# Altium PCB PCB_TEST.PcbDoc (part 2 of 6)
Units mil, origin at the board's own origin, x right, y up, seen from the top; angles counter-clockwise.
Board outline 6000 x 4000 mil, 2 copper layers (Top Layer, Bottom Layer); 1506 components, 800 nets, 4143 pads, 6 vias.
Unrouted connection lines stored in the file: 2993.
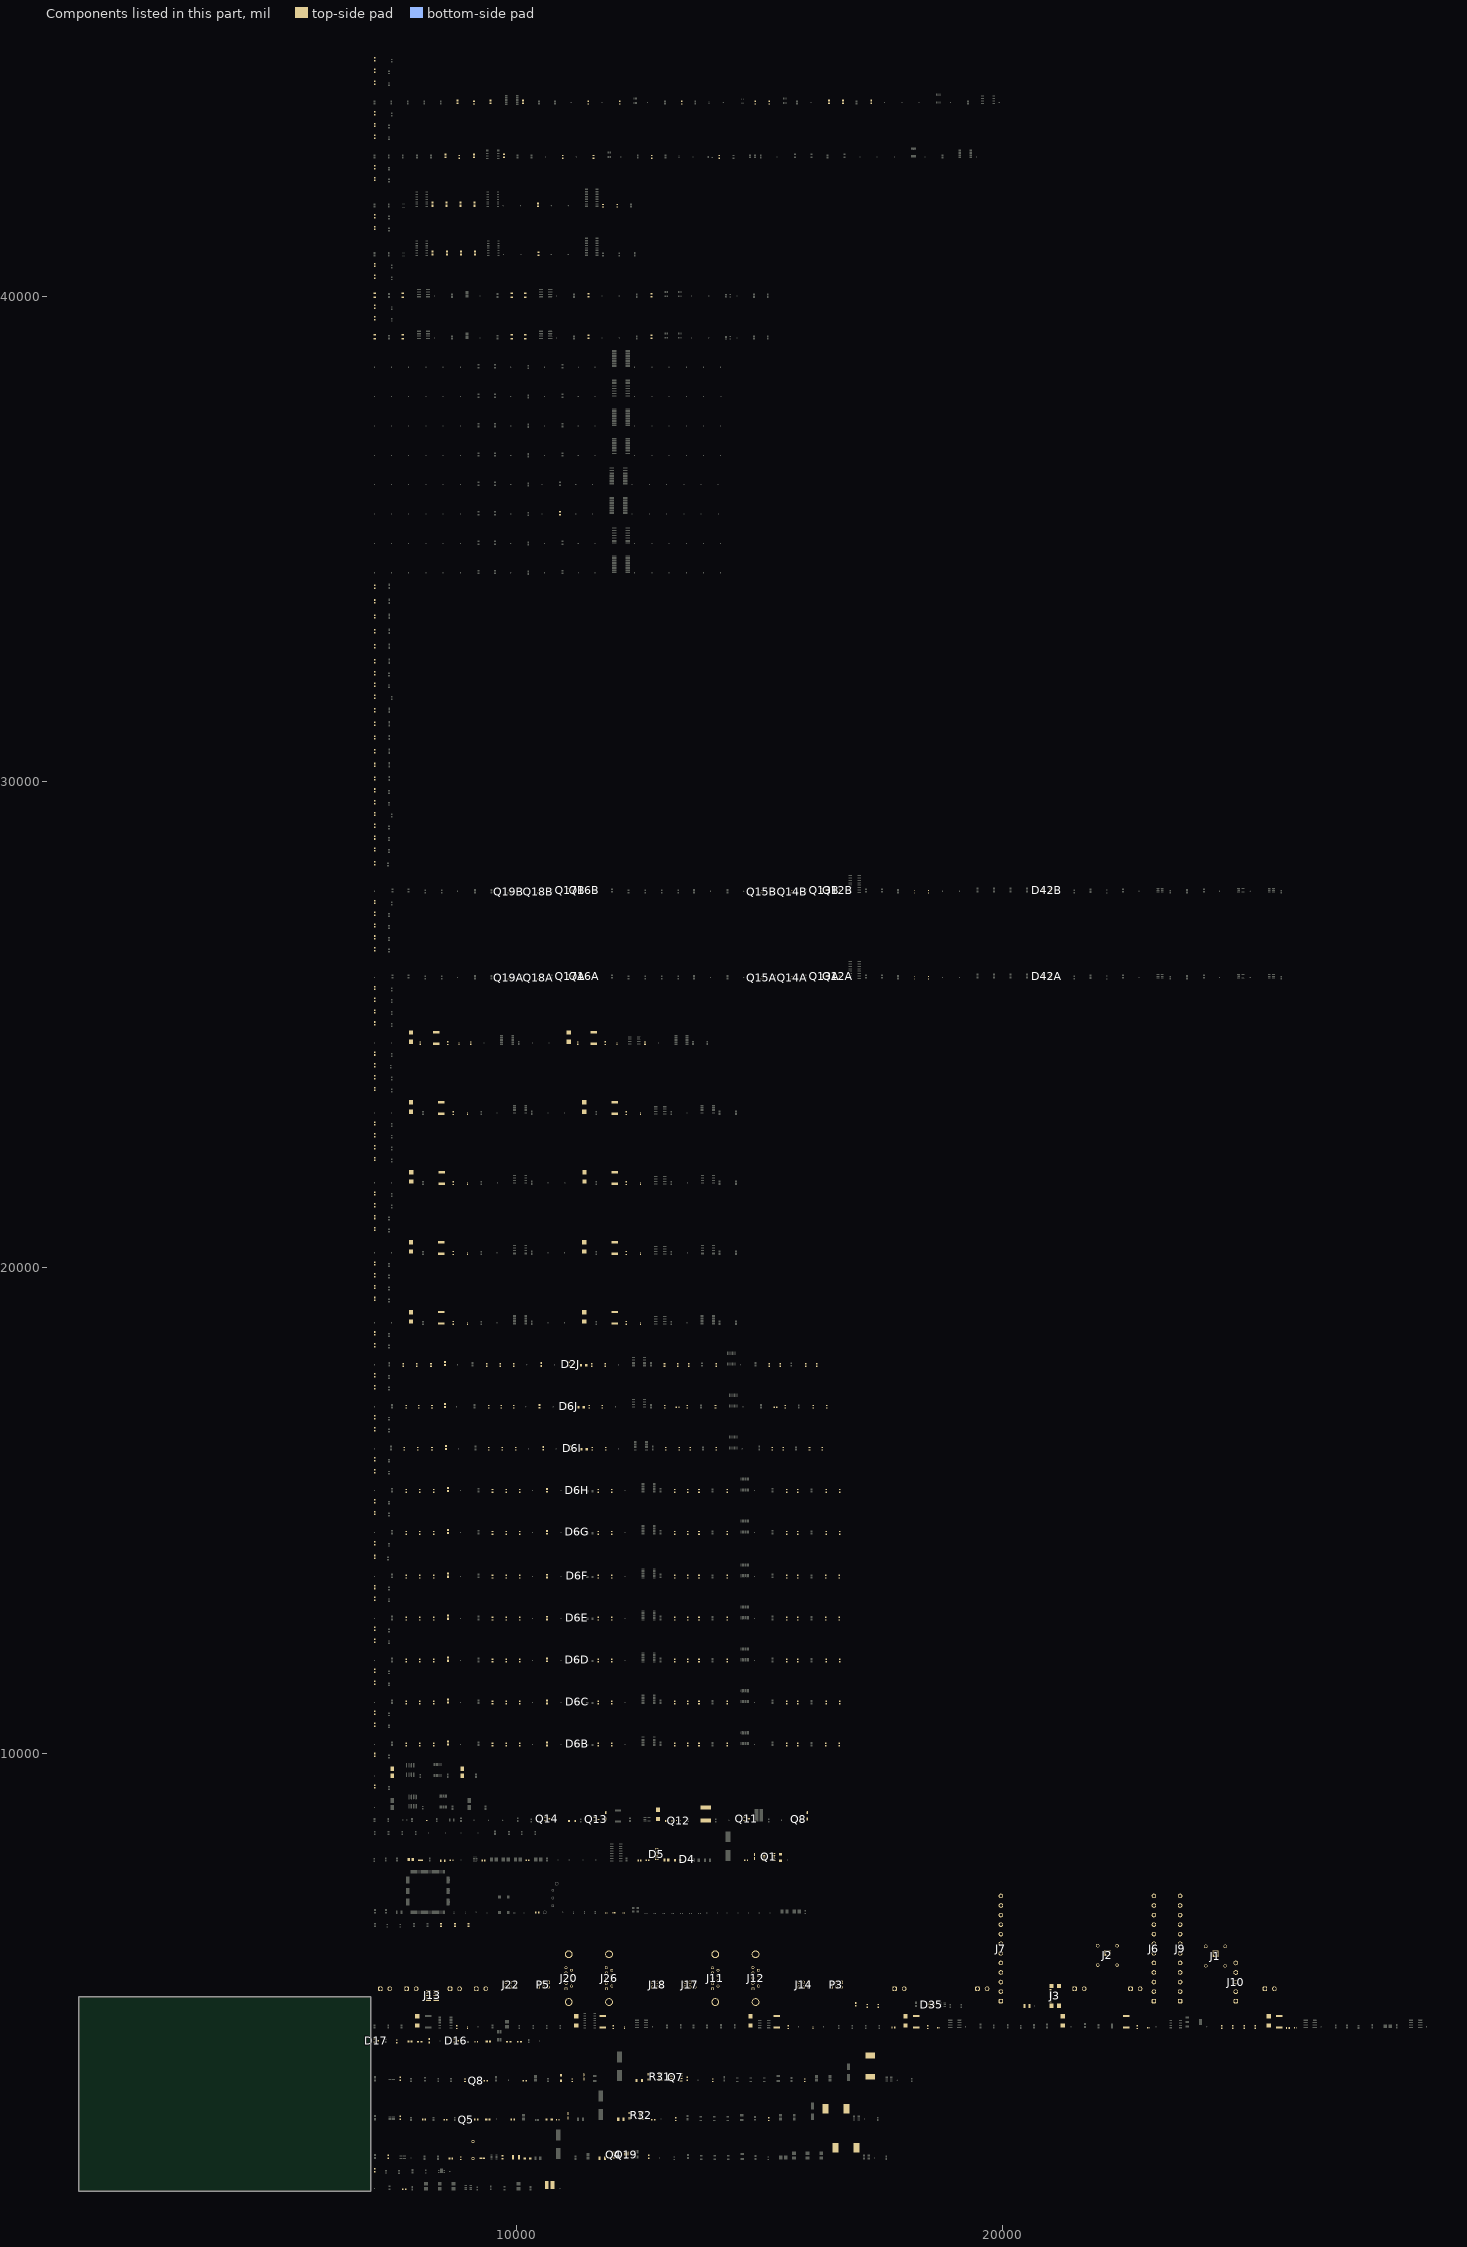
[diagram p2: the components of this part, seen from the top]

## Components (designator, comment, footprint, x,y, rotation, side; value= is the part's Value field where it differs from the comment) (continued)
D1I "PTVS58VS1UR,115" SOD123W 11395,16265 r0 top (schematic designator D1)
D1J "PTVS58VS1UR,115" SOD123W 11385,17995 r0 top (schematic designator D1)
D1J "PTVS58VS1UR,115" SOD123W 11335,17130 r0 top (schematic designator D1)
D2 "BZT52C15S-7-F" FP-SOD323-IPC_A 14905,7885 r90 top (schematic designator D3)
D2J "BAV199-7-F" DIOD-SOT23-3_A_V 11125,18020 r0 top (schematic designator D2)
D4 "BZX84C47LT1G" ONSC-SOT-23-3-318-08_V 13515,7830 r0 top
D5 "PTVS58VS1UR,115" SOD123W 13320,7805 r0 top
D5 "C106MG" TO229P280X780X1410-3P 12890,7845 r90 top (schematic designator D6)
D6B "BAV199-7-F" DIOD-SOT23-3_A_V 11255,10205 r0 top (schematic designator D2)
D6C "BAV199-7-F" DIOD-SOT23-3_A_V 11255,11070 r0 top (schematic designator D2)
D6D "BAV199-7-F" DIOD-SOT23-3_A_V 11255,11935 r0 top (schematic designator D2)
D6E "BAV199-7-F" DIOD-SOT23-3_A_V 11255,12800 r0 top (schematic designator D2)
D6F "BAV199-7-F" DIOD-SOT23-3_A_V 11255,13660 r0 top (schematic designator D2)
D6G "BAV199-7-F" DIOD-SOT23-3_A_V 11255,14565 r0 top (schematic designator D2)
D6H "BAV199-7-F" DIOD-SOT23-3_A_V 11255,15425 r0 top (schematic designator D2)
D6I "BAV199-7-F" DIOD-SOT23-3_A_V 11155,16290 r0 top (schematic designator D2)
D6J "BAV199-7-F" DIOD-SOT23-3_A_V 11075,17155 r0 top (schematic designator D2)
D7 "1N4751A" FAIR-DO-41-2_V 9110,1845 r90 top (schematic designator D38)
D7E "SMBJ28A" FP-SMBJ-MFG 11080,24750 r90 top (schematic designator D7)
D8E "SMBJ28A" FP-SMBJ-MFG 7835,24750 r90 top (schematic designator D8)
D11 "PTVS58VS1UR,115" SOD123W 10230,1670 r0 top (schematic designator D37)
D12 "PMEG6020ER,115" FP-SOD123W-MFG 12335,2550 r90 top (schematic designator D32)
D13 "BZT52C15S-7-F" FP-SOD323-IPC_A 11065,2550 r90 top (schematic designator D33)
D14 "PTVS58VS1UR,115" SOD123W 10675,2470 r0 top (schematic designator D34)
D16 "BAV199-7-F" DIOD-SOT23-3_A_V 8760,4095 r0 top (schematic designator D15)
D17 "BAV199-7-F" DIOD-SOT23-3_A_V 7115,4095 r0 top (schematic designator D16)
D18 "SMBJ28A" FP-SMBJ-MFG 25485,4500 r90 top (schematic designator D17)
D19 "SMBJ28A" FP-SMBJ-MFG 21250,4500 r90 top (schematic designator D18)
D23 "SMBJ28A" FP-SMBJ-MFG 18010,4500 r90 top (schematic designator D19)
D24 "SMBJ28A" FP-SMBJ-MFG 14820,4500 r90 top (schematic designator D20)
D25 "LTST-C193KGKT-5A" FP-LTST-C193KGKT-5A-MFG 16985,4840 r90 top
D25 "SMBJ28A" FP-SMBJ-MFG 11235,4500 r90 top (schematic designator D21)
D26 "SMBJ28A" FP-SMBJ-MFG 7960,4500 r90 top (schematic designator D22)
D26 "LTST-C193KSKT-5A" FP-LTST-C193KGKT-5A-MFG 13520,3310 r90 top
D27 "PMEG6020ER,115" FP-SOD123W-MFG 12720,3350 r90 top
D27B "SMBJ28A" FP-SMBJ-MFG 11400,18990 r90 top (schematic designator D7)
D27C "SMBJ28A" FP-SMBJ-MFG 11400,20430 r90 top (schematic designator D7)
D27D "SMBJ28A" FP-SMBJ-MFG 11405,21870 r90 top (schematic designator D7)
D27E "SMBJ28A" FP-SMBJ-MFG 11400,23310 r90 top (schematic designator D7)
D28 "BZT52C15S-7-F" FP-SOD323-IPC_A 11390,3350 r90 top
D28B "SMBJ28A" FP-SMBJ-MFG 7835,18990 r90 top (schematic designator D8)
D28C "SMBJ28A" FP-SMBJ-MFG 7835,20430 r90 top (schematic designator D8)
D28D "SMBJ28A" FP-SMBJ-MFG 7840,21870 r90 top (schematic designator D8)
D28E "SMBJ28A" FP-SMBJ-MFG 7835,23310 r90 top (schematic designator D8)
D29 "1N5819HW-7-F" FP-SOD123-IPC_A 15990,8720 r90 top (schematic designator D9)
D30 "SMBJ28A" FP-SMBJ-MFG 12915,8750 r90 top (schematic designator D10)
D30 "LTST-C193KSKT-5A" FP-LTST-C193KGKT-5A-MFG 7610,3310 r90 top
D31 "LTST-C193KSKT-5A" FP-LTST-C193KGKT-5A-MFG 12820,2465 r0 top
D31 "SZMMSZ5255BT1G" ONSC-SOD-123-2-425-04_V 13145,8615 r0 top (schematic designator D11)
D32 "1N5819HW-7-F" FP-SOD123-IPC_A 11845,8720 r90 top (schematic designator D12)
D33 "SZMMSZ5244BT1G" ONSC-SOD-123-2-425-04_V 11150,8615 r0 top (schematic designator D13)
D34 "ESD501DPYR" ESD501DPYR 8165,8630 r0 top (schematic designator D14)
D35 "IP4234CZ6,125" Nexperia_SOT457_IPC_C 18550,4835 r0 top (schematic designator D24)
D35 "LTST-C193KSKT-5A" FP-LTST-C193KGKT-5A-MFG 7610,2510 r90 top
D36 "PTVS58VS1UR,115" SOD123W 10920,3325 r90 top (schematic designator D29)
D36 "LTST-C193KSKT-5A" FP-LTST-C193KGKT-5A-MFG 12725,1705 r90 top
D39 "LTST-C193KSKT-5A" FP-LTST-C193KGKT-5A-MFG 7365,1705 r90 top
D40 "LTST-C193KSKT-5A" FP-LTST-C193KGKT-5A-MFG 7085,1425 r90 top
D41 "LTST-C193KSKT-5A" FP-LTST-C193KGKT-5A-MFG 7695,1035 r0 top
D42A "PCA9306DCTT" SOP65P400X130-8N 20920,26000 r0 top (schematic designator D42)
D42B "PCA9306DCTT" SOP65P400X130-8N 20920,27770 r0 top (schematic designator D42)
D43A "ESD5B5.0ST1G" ONSC-SOD-523-2-502-01_C_V 18190,25970 r90 top value=32pF (schematic designator D43)
D43B "ESD5B5.0ST1G" ONSC-SOD-523-2-502-01_C_V 18190,27740 r90 top value=32pF (schematic designator D43)
D44A "ESD5B5.0ST1G" ONSC-SOD-523-2-502-01_C_V 18480,25970 r90 top value=32pF (schematic designator D44)
D44B "ESD5B5.0ST1G" ONSC-SOD-523-2-502-01_C_V 18480,27740 r90 top value=32pF (schematic designator D44)
D45A "LTST-C193KGKT-5A" FP-LTST-C193KGKT-5A-MFG 7085,29580 r90 top (schematic designator D45)
D45B "LTST-C193KGKT-5A" FP-LTST-C193KGKT-5A-MFG 7085,29825 r90 top (schematic designator D45)
D45C "LTST-C193KGKT-5A" FP-LTST-C193KGKT-5A-MFG 7085,9325 r90 top (schematic designator D45)
D45D "LTST-C193KGKT-5A" FP-LTST-C193KGKT-5A-MFG 7085,9975 r90 top (schematic designator D45)
D45E "LTST-C193KGKT-5A" FP-LTST-C193KGKT-5A-MFG 7085,26560 r90 top (schematic designator D45)
D45F "LTST-C193KGKT-5A" FP-LTST-C193KGKT-5A-MFG 7085,26800 r90 top (schematic designator D45)
D45G "LTST-C193KGKT-5A" FP-LTST-C193KGKT-5A-MFG 7085,27045 r90 top (schematic designator D45)
D45H "LTST-C193KGKT-5A" FP-LTST-C193KGKT-5A-MFG 7085,27290 r90 top (schematic designator D45)
D45I "LTST-C193KGKT-5A" FP-LTST-C193KGKT-5A-MFG 7085,28330 r90 top (schematic designator D45)
D45J "LTST-C193KGKT-5A" FP-LTST-C193KGKT-5A-MFG 7085,28610 r90 top (schematic designator D45)
D45K "LTST-C193KGKT-5A" FP-LTST-C193KGKT-5A-MFG 7085,28855 r90 top (schematic designator D45)
D45L "LTST-C193KGKT-5A" FP-LTST-C193KGKT-5A-MFG 7085,29095 r90 top (schematic designator D45)
D45M "LTST-C193KGKT-5A" FP-LTST-C193KGKT-5A-MFG 7085,32000 r90 top (schematic designator D45)
D45N "LTST-C193KGKT-5A" FP-LTST-C193KGKT-5A-MFG 7085,32240 r90 top (schematic designator D45)
D45O "LTST-C193KGKT-5A" FP-LTST-C193KGKT-5A-MFG 7085,43280 r90 top (schematic designator D45)
D45P "LTST-C193KGKT-5A" FP-LTST-C193KGKT-5A-MFG 7085,43520 r90 top (schematic designator D45)
D45Q "LTST-C193KGKT-5A" FP-LTST-C193KGKT-5A-MFG 7085,44390 r90 top (schematic designator D45)
D45R "LTST-C193KGKT-5A" FP-LTST-C193KGKT-5A-MFG 7085,44635 r90 top (schematic designator D45)
D46A "LTST-C193KFKT-5A" FP-LTST-C193KGKT-5A-MFG 7085,10595 r90 top (schematic designator D46)
D46AA "LTST-C193KFKT-5A" FP-LTST-C193KGKT-5A-MFG 7085,21290 r90 top (schematic designator D46)
D46AB "LTST-C193KFKT-5A" FP-LTST-C193KGKT-5A-MFG 7085,21530 r90 top (schematic designator D46)
D46AC "LTST-C193KFKT-5A" FP-LTST-C193KGKT-5A-MFG 7085,22240 r90 top (schematic designator D46)
D46AD "LTST-C193KFKT-5A" FP-LTST-C193KGKT-5A-MFG 7085,22485 r90 top (schematic designator D46)
D46AE "LTST-C193KFKT-5A" FP-LTST-C193KGKT-5A-MFG 7085,22730 r90 top (schematic designator D46)
D46AF "LTST-C193KFKT-5A" FP-LTST-C193KGKT-5A-MFG 7085,22970 r90 top (schematic designator D46)
D46AG "LTST-C193KFKT-5A" FP-LTST-C193KGKT-5A-MFG 7085,23680 r90 top (schematic designator D46)
D46AH "LTST-C193KFKT-5A" FP-LTST-C193KGKT-5A-MFG 7085,23925 r90 top (schematic designator D46)
D46AI "LTST-C193KFKT-5A" FP-LTST-C193KGKT-5A-MFG 7085,24170 r90 top (schematic designator D46)
D46AJ "LTST-C193KFKT-5A" FP-LTST-C193KGKT-5A-MFG 7085,24410 r90 top (schematic designator D46)
D46AK "LTST-C193KFKT-5A" FP-LTST-C193KGKT-5A-MFG 7085,25030 r90 top (schematic designator D46)
D46AL "LTST-C193KFKT-5A" FP-LTST-C193KGKT-5A-MFG 7085,25275 r90 top (schematic designator D46)
D46AM "LTST-C193KFKT-5A" FP-LTST-C193KGKT-5A-MFG 7085,25520 r90 top (schematic designator D46)
D46AN "LTST-C193KFKT-5A" FP-LTST-C193KGKT-5A-MFG 7085,25760 r90 top (schematic designator D46)
D46AO "LTST-C193KFKT-5A" FP-LTST-C193KGKT-5A-MFG 7085,27530 r90 top (schematic designator D46)
D46AP "LTST-C193KFKT-5A" FP-LTST-C193KGKT-5A-MFG 7085,29340 r90 top (schematic designator D46)
D46AQ "LTST-C193KFKT-5A" FP-LTST-C193KGKT-5A-MFG 7085,39540 r90 top (schematic designator D46)
D46AR "LTST-C193KFKT-5A" FP-LTST-C193KGKT-5A-MFG 7085,39780 r90 top (schematic designator D46)
D46AS "LTST-C193KFKT-5A" FP-LTST-C193KGKT-5A-MFG 7085,40395 r90 top (schematic designator D46)
D46AT "LTST-C193KFKT-5A" FP-LTST-C193KGKT-5A-MFG 7085,40640 r90 top (schematic designator D46)
D46AU "LTST-C193KFKT-5A" FP-LTST-C193KGKT-5A-MFG 7085,31755 r90 top (schematic designator D46)
D46AV "LTST-C193KFKT-5A" FP-LTST-C193KGKT-5A-MFG 7085,43765 r90 top (schematic designator D46)
D46AW "LTST-C193KFKT-5A" FP-LTST-C193KGKT-5A-MFG 7085,44875 r90 top (schematic designator D46)
D46B "LTST-C193KFKT-5A" FP-LTST-C193KGKT-5A-MFG 7085,10840 r90 top (schematic designator D46)
D46C "LTST-C193KFKT-5A" FP-LTST-C193KGKT-5A-MFG 7085,11460 r90 top (schematic designator D46)
D46D "LTST-C193KFKT-5A" FP-LTST-C193KGKT-5A-MFG 7085,11705 r90 top (schematic designator D46)
D46E "LTST-C193KFKT-5A" FP-LTST-C193KGKT-5A-MFG 7085,12325 r90 top (schematic designator D46)
D46F "LTST-C193KFKT-5A" FP-LTST-C193KGKT-5A-MFG 7085,12570 r90 top (schematic designator D46)
D46G "LTST-C193KFKT-5A" FP-LTST-C193KGKT-5A-MFG 7085,13190 r90 top (schematic designator D46)
D46H "LTST-C193KFKT-5A" FP-LTST-C193KGKT-5A-MFG 7085,13430 r90 top (schematic designator D46)
D46I "LTST-C193KFKT-5A" FP-LTST-C193KGKT-5A-MFG 7085,14050 r90 top (schematic designator D46)
D46J "LTST-C193KFKT-5A" FP-LTST-C193KGKT-5A-MFG 7085,14330 r90 top (schematic designator D46)
D46K "LTST-C193KFKT-5A" FP-LTST-C193KGKT-5A-MFG 7085,14955 r90 top (schematic designator D46)
D46L "LTST-C193KFKT-5A" FP-LTST-C193KGKT-5A-MFG 7085,15195 r90 top (schematic designator D46)
D46M "LTST-C193KFKT-5A" FP-LTST-C193KGKT-5A-MFG 7085,15815 r90 top (schematic designator D46)
D46N "LTST-C193KFKT-5A" FP-LTST-C193KGKT-5A-MFG 7085,16060 r90 top (schematic designator D46)
D46O "LTST-C193KFKT-5A" FP-LTST-C193KGKT-5A-MFG 7085,16680 r90 top (schematic designator D46)
D46P "LTST-C193KFKT-5A" FP-LTST-C193KGKT-5A-MFG 7085,16925 r90 top (schematic designator D46)
D46Q "LTST-C193KFKT-5A" FP-LTST-C193KGKT-5A-MFG 7085,17545 r90 top (schematic designator D46)
D46R "LTST-C193KFKT-5A" FP-LTST-C193KGKT-5A-MFG 7085,17790 r90 top (schematic designator D46)
D46S "LTST-C193KFKT-5A" FP-LTST-C193KGKT-5A-MFG 7085,18410 r90 top (schematic designator D46)
D46T "LTST-C193KFKT-5A" FP-LTST-C193KGKT-5A-MFG 7085,18650 r90 top (schematic designator D46)
D46U "LTST-C193KFKT-5A" FP-LTST-C193KGKT-5A-MFG 7085,19360 r90 top (schematic designator D46)
D46V "LTST-C193KFKT-5A" FP-LTST-C193KGKT-5A-MFG 7085,19605 r90 top (schematic designator D46)
D46W "LTST-C193KFKT-5A" FP-LTST-C193KGKT-5A-MFG 7085,19850 r90 top (schematic designator D46)
D46X "LTST-C193KFKT-5A" FP-LTST-C193KGKT-5A-MFG 7085,20090 r90 top (schematic designator D46)
D46Y "LTST-C193KFKT-5A" FP-LTST-C193KGKT-5A-MFG 7085,20800 r90 top (schematic designator D46)
D46Z "LTST-C193KFKT-5A" FP-LTST-C193KGKT-5A-MFG 7085,21045 r90 top (schematic designator D46)
D47A "LTST-C193KGKT-5A" FP-LTST-C193KGKT-5A-MFG 7085,41400 r90 top (schematic designator D47)
D47B "LTST-C193KGKT-5A" FP-LTST-C193KGKT-5A-MFG 7085,41645 r90 top (schematic designator D47)
D47C "LTST-C193KGKT-5A" FP-LTST-C193KGKT-5A-MFG 7085,42410 r90 top (schematic designator D47)
D47D "LTST-C193KGKT-5A" FP-LTST-C193KGKT-5A-MFG 7085,42650 r90 top (schematic designator D47)
D48A "LTST-C193KRKT-5A" FP-LTST-C193KRKT-5A-MFG 7090,32485 r90 top (schematic designator D48)
D48B "LTST-C193KRKT-5A" FP-LTST-C193KRKT-5A-MFG 7090,32795 r90 top (schematic designator D48)
D48C "LTST-C193KRKT-5A" FP-LTST-C193KRKT-5A-MFG 7090,33100 r90 top (schematic designator D48)
D48D "LTST-C193KRKT-5A" FP-LTST-C193KRKT-5A-MFG 7090,33405 r90 top (schematic designator D48)
D48E "LTST-C193KRKT-5A" FP-LTST-C193KRKT-5A-MFG 7090,33715 r90 top (schematic designator D48)
D48F "LTST-C193KRKT-5A" FP-LTST-C193KRKT-5A-MFG 7090,34020 r90 top (schematic designator D48)
D49A "LTST-C193TBKT-5A" FP-LTST-C193TBKT-5A-MFG 7090,30070 r90 top (schematic designator D49)
D49B "LTST-C193TBKT-5A" FP-LTST-C193TBKT-5A-MFG 7090,30350 r90 top (schematic designator D49)
D49C "LTST-C193TBKT-5A" FP-LTST-C193TBKT-5A-MFG 7090,30630 r90 top (schematic designator D49)
D49D "LTST-C193TBKT-5A" FP-LTST-C193TBKT-5A-MFG 7090,30915 r90 top (schematic designator D49)
D49E "LTST-C193TBKT-5A" FP-LTST-C193TBKT-5A-MFG 7090,31195 r90 top (schematic designator D49)
D49F "LTST-C193TBKT-5A" FP-LTST-C193TBKT-5A-MFG 7090,31475 r90 top (schematic designator D49)
F2 "SF-1206FP200-2" FP-SF-1206FP-MFG 15435,7865 r90 top (schematic designator F1)
F2E "F0402G0R05FNTR" FP-F0402G-MFG 12070,24610 r90 top value=3.4Ω (schematic designator F2)
F3 "0466001.NRHF" FP-0466-MFG 20510,4810 r0 top (schematic designator F19)
F3E "0ZCM0001FF2G" FP-0ZCM0001FF2G-MFG 11835,24625 r90 top (schematic designator F3)
F4 "SF-1206FP150-2" FUSC3116X70N 12535,3275 r0 top (schematic designator F20)
F4E "F0402G0R05FNTR" FP-F0402G-MFG 8825,24610 r90 top value=3.4Ω (schematic designator F4)
F5 "SF-1206FP150-2" FUSC3116X70N 12155,2475 r0 top (schematic designator F21)
F5E "0ZCM0001FF2G" FP-0ZCM0001FF2G-MFG 8590,24625 r90 top (schematic designator F5)
F6 "SF-1206FP150-2" FUSC3116X70N 11770,1675 r0 top (schematic designator F22)
F7 "F0402G0R05FNTR" FP-F0402G-MFG 26035,4360 r0 top value=3.4Ω
F8 "0ZCM0001FF2G" FP-0ZCM0001FF2G-MFG 25880,4355 r0 top
F9 "F0402G0R05FNTR" FP-F0402G-MFG 23005,4360 r0 top value=3.4Ω
F10 "0ZCM0001FF2G" FP-0ZCM0001FF2G-MFG 22780,4375 r90 top
F11 "F0402G0R05FNTR" FP-F0402G-MFG 18685,4360 r0 top value=3.4Ω
F12 "0ZCM0001FF2G" FP-0ZCM0001FF2G-MFG 18465,4375 r90 top
F13 "F0402G0R05FNTR" FP-F0402G-MFG 16110,4360 r90 top value=3.4Ω
F14 "0ZCM0001FF2G" FP-0ZCM0001FF2G-MFG 15595,4375 r90 top
F15 "F0402G0R05FNTR" FP-F0402G-MFG 12225,4360 r90 top value=3.4Ω
F16 "0ZCM0001FF2G" FP-0ZCM0001FF2G-MFG 12000,4375 r90 top
F17 "F0402G0R05FNTR" FP-F0402G-MFG 8995,4360 r90 top value=3.4Ω
F18 "0ZCM0001FF2G" FP-0ZCM0001FF2G-MFG 8770,4375 r90 top
F19B "F0402G0R05FNTR" FP-F0402G-MFG 12560,18850 r90 top value=3.4Ω (schematic designator F2)
F19C "F0402G0R05FNTR" FP-F0402G-MFG 12560,20290 r90 top value=3.4Ω (schematic designator F2)
F19D "F0402G0R05FNTR" FP-F0402G-MFG 12560,21730 r90 top value=3.4Ω (schematic designator F2)
F19E "F0402G0R05FNTR" FP-F0402G-MFG 12560,23170 r90 top value=3.4Ω (schematic designator F2)
F20B "0ZCM0001FF2G" FP-0ZCM0001FF2G-MFG 12265,18865 r90 top (schematic designator F3)
F20C "0ZCM0001FF2G" FP-0ZCM0001FF2G-MFG 12265,20305 r90 top (schematic designator F3)
F20D "0ZCM0001FF2G" FP-0ZCM0001FF2G-MFG 12265,21745 r90 top (schematic designator F3)
F20E "0ZCM0001FF2G" FP-0ZCM0001FF2G-MFG 12265,23185 r90 top (schematic designator F3)
F21B "F0402G0R05FNTR" FP-F0402G-MFG 8995,18850 r90 top value=3.4Ω (schematic designator F4)
F21C "F0402G0R05FNTR" FP-F0402G-MFG 8995,20290 r90 top value=3.4Ω (schematic designator F4)
F21D "F0402G0R05FNTR" FP-F0402G-MFG 8995,21730 r90 top value=3.4Ω (schematic designator F4)
F21E "F0402G0R05FNTR" FP-F0402G-MFG 8995,23170 r90 top value=3.4Ω (schematic designator F4)
F22B "0ZCM0001FF2G" FP-0ZCM0001FF2G-MFG 8700,18865 r90 top (schematic designator F5)
F22C "0ZCM0001FF2G" FP-0ZCM0001FF2G-MFG 8700,20305 r90 top (schematic designator F5)
F22D "0ZCM0001FF2G" FP-0ZCM0001FF2G-MFG 8700,21745 r90 top (schematic designator F5)
F22E "0ZCM0001FF2G" FP-0ZCM0001FF2G-MFG 8700,23185 r90 top (schematic designator F5)
F23 "0ZAF0005FF28" FUSC7451X260N 13900,8760 r90 top (schematic designator F6)
FB1 "BLM15AG121SH1D" FP-BLM15-0_05-IPC_A 12010,6725 r0 top
J1 "FCR7350R" FCR7350R 24390,5885 r90 top (schematic designator J3)
J2 "FCR7350B" FCR7350B 22165,5900 r90 top (schematic designator J7)
J3 "USB4110-GF-A" FP-USB4110-GF-A-MFG 21140,5015 r90 top (schematic designator J9)
J4 "691313710002" 691313710002 25505,5005 r0 top (schematic designator J1)
J5 "691313710002" 691313710002 22740,5005 r0 top (schematic designator J6)
J6 "691313710012" 691313710012 23280,5990 r90 top (schematic designator J5)
J7 "691313710012" 691313710012 20130,5990 r90 top (schematic designator J10)
J8 "691313710002" 691313710002 21590,5005 r0 top
J9 "691313710012" 691313710012 23820,5990 r90 top (schematic designator J4)
J10 "691313710005" 691313710005 24965,5300 r90 top (schematic designator J2)
J11 "A-DS_09_A_KG-T2S" ASSMANN_A-DS_09_A_KG-T2S 14095,5380 r90 top (schematic designator J16)
J12 "A-DS_09_A_KG-T2S" ASSMANN_A-DS_09_A_KG-T2S 14925,5380 r90 top (schematic designator J15)
J13 "62731020621" 62731020621 8275,5025 r90 top (schematic designator J25)
J14 "61200621721" 61200621721 15915,4950 r0 top
J17 "61200621721" 61200621721 13575,4950 r0 top
J18 "61200621721" 61200621721 12900,4950 r0 top
J20 "A-DS_09_A_KG-T2S" ASSMANN_A-DS_09_A_KG-T2S 11080,5380 r90 top
J20 "691313710002" 691313710002 9275,5005 r0 top (schematic designator J23)
J22 "61200621721" 61200621721 9885,4950 r0 top
J22 "691313710002" 691313710002 19590,5005 r0 top (schematic designator J11)
J24 "691313710002" 691313710002 8735,5005 r0 top
J24 "691313710002" 691313710002 7300,5005 r0 top (schematic designator J26)
J25 "691313710002" 691313710002 17885,5005 r0 top (schematic designator J12)
J26 "A-DS_09_A_KG-T2S" ASSMANN_A-DS_09_A_KG-T2S 11910,5380 r90 top (schematic designator J19)
J27 "691313710002" 691313710002 7840,5005 r0 top
L1 "33uH" SRP1265A 17285,3570 r90 top
L2 "SRP1265A-220M" FP-SRP1265A-MFG 16580,2690 r0 top value=22µH
L3 "SRP1265A-220M" FP-SRP1265A-MFG 16785,1890 r0 top value=22µH
L4 "VLS4015CX-4R7M-H" VLS4015CX100MH 10685,1125 r0 top
P3 "61200621721" 61200621721 16590,4950 r0 top (schematic designator J13)
P5 "61200621721" 61200621721 10560,4950 r0 top (schematic designator J21)
Q1 "SI4948BEY-T1-E3" FP-C-06527-IPC_B 15195,7875 r0 top
Q4 "DMT69M8LFV-7" DMP3036SFV7 12010,1745 r0 top (schematic designator Q10)
Q5 "MMBT3904TT1G" ONSC-SC-75-3-463-01_V 8975,2465 r0 top (schematic designator Q9)
Q7 "SI4948BEY-T1-E3" FP-C-06527-IPC_B 13285,3340 r0 top
Q8 "DMP3099L-7" FP-SOT23-IPC_B 15810,8650 r0 top (schematic designator Q2)
Q8 "MMBT3904TT1G" ONSC-SC-75-3-463-01_V 9175,3270 r0 top
Q11 "MMBT3904-7-F" FP-SOT23-IPC_A 14740,8660 r0 top (schematic designator Q3)
Q12 "BSD316SN" INF-PG-SOT-363_L 13340,8625 r0 top (schematic designator Q4)
Q12A "AO3401A" SOT95P280X125-3N 16615,26000 r0 top (schematic designator Q12)
Q12B "AO3401A" SOT95P280X125-3N 16615,27770 r0 top (schematic designator Q12)
Q13 "DMP3099L-7" FP-SOT23-IPC_B 11650,8650 r0 top (schematic designator Q5)
Q13A "AO3401A" SOT95P280X125-3N 16335,26000 r0 top (schematic designator Q13)
Q13B "AO3401A" SOT95P280X125-3N 16335,27770 r0 top (schematic designator Q13)
Q14 "MMBT3904-7-F" FP-SOT23-IPC_A 10640,8660 r0 top (schematic designator Q6)
Q14A "MMBT3904TT1G" ONSC-SC-75-3-463-01_V 15675,25970 r90 top (schematic designator Q14)
Q14B "MMBT3904TT1G" ONSC-SC-75-3-463-01_V 15675,27740 r90 top (schematic designator Q14)
Q15A "MMBT3904TT1G" ONSC-SC-75-3-463-01_V 15055,25970 r90 top (schematic designator Q15)
Q15B "MMBT3904TT1G" ONSC-SC-75-3-463-01_V 15055,27740 r90 top (schematic designator Q15)
Q16A "AO3401A" SOT95P280X125-3N 11395,26000 r0 top (schematic designator Q16)
Q16B "AO3401A" SOT95P280X125-3N 11395,27770 r0 top (schematic designator Q16)
Q17A "AO3401A" SOT95P280X125-3N 11115,26000 r0 top (schematic designator Q17)
Q17B "AO3401A" SOT95P280X125-3N 11115,27770 r0 top (schematic designator Q17)
Q18A "MMBT3904TT1G" ONSC-SC-75-3-463-01_V 10455,25970 r90 top (schematic designator Q18)
Q18B "MMBT3904TT1G" ONSC-SC-75-3-463-01_V 10455,27740 r90 top (schematic designator Q18)
Q19 "DMT69M8LFV-7" DMP3036SFV7 12260,1745 r0 top (schematic designator Q11)
Q19A "MMBT3904TT1G" ONSC-SC-75-3-463-01_V 9850,25970 r90 top (schematic designator Q19)
Q19B "MMBT3904TT1G" ONSC-SC-75-3-463-01_V 9850,27740 r90 top (schematic designator Q19)
R1 "MCS04020Z0000ZE000" FP-MCS0402-IPC_B 11850,6725 r0 top value=0 (schematic designator R2)
R2 "MCS04020Z0000ZE000" FP-MCS0402-IPC_B 12210,6725 r0 top value=0 (schematic designator R1)
R3 "Resistor 10k +/-1% 0603 100 mW" RESC1608X55X25ML10T15 10430,6730 r0 top value=10k
R4 "AC0603FR-7W100KL" FP-AC0603-IPC_C 14730,7805 r0 top value=100k (schematic designator R22)
R4J "RT0603BRE07300KL" FP-RT0603-IPC_C 16185,18000 r90 top value=300k (schematic designator R4)
R5 "CRCW0805100RJNTA" RESC2013X50X30ML20T20 13090,7815 r0 top value=100 (schematic designator R23)
R5J "RT0603BRD07240KL" FP-RT0603-IPC_C 15955,18000 r90 top value=240k (schematic designator R5)